# Altium PCB FYDP_rev1_revised_Cout.PcbDoc (continued)
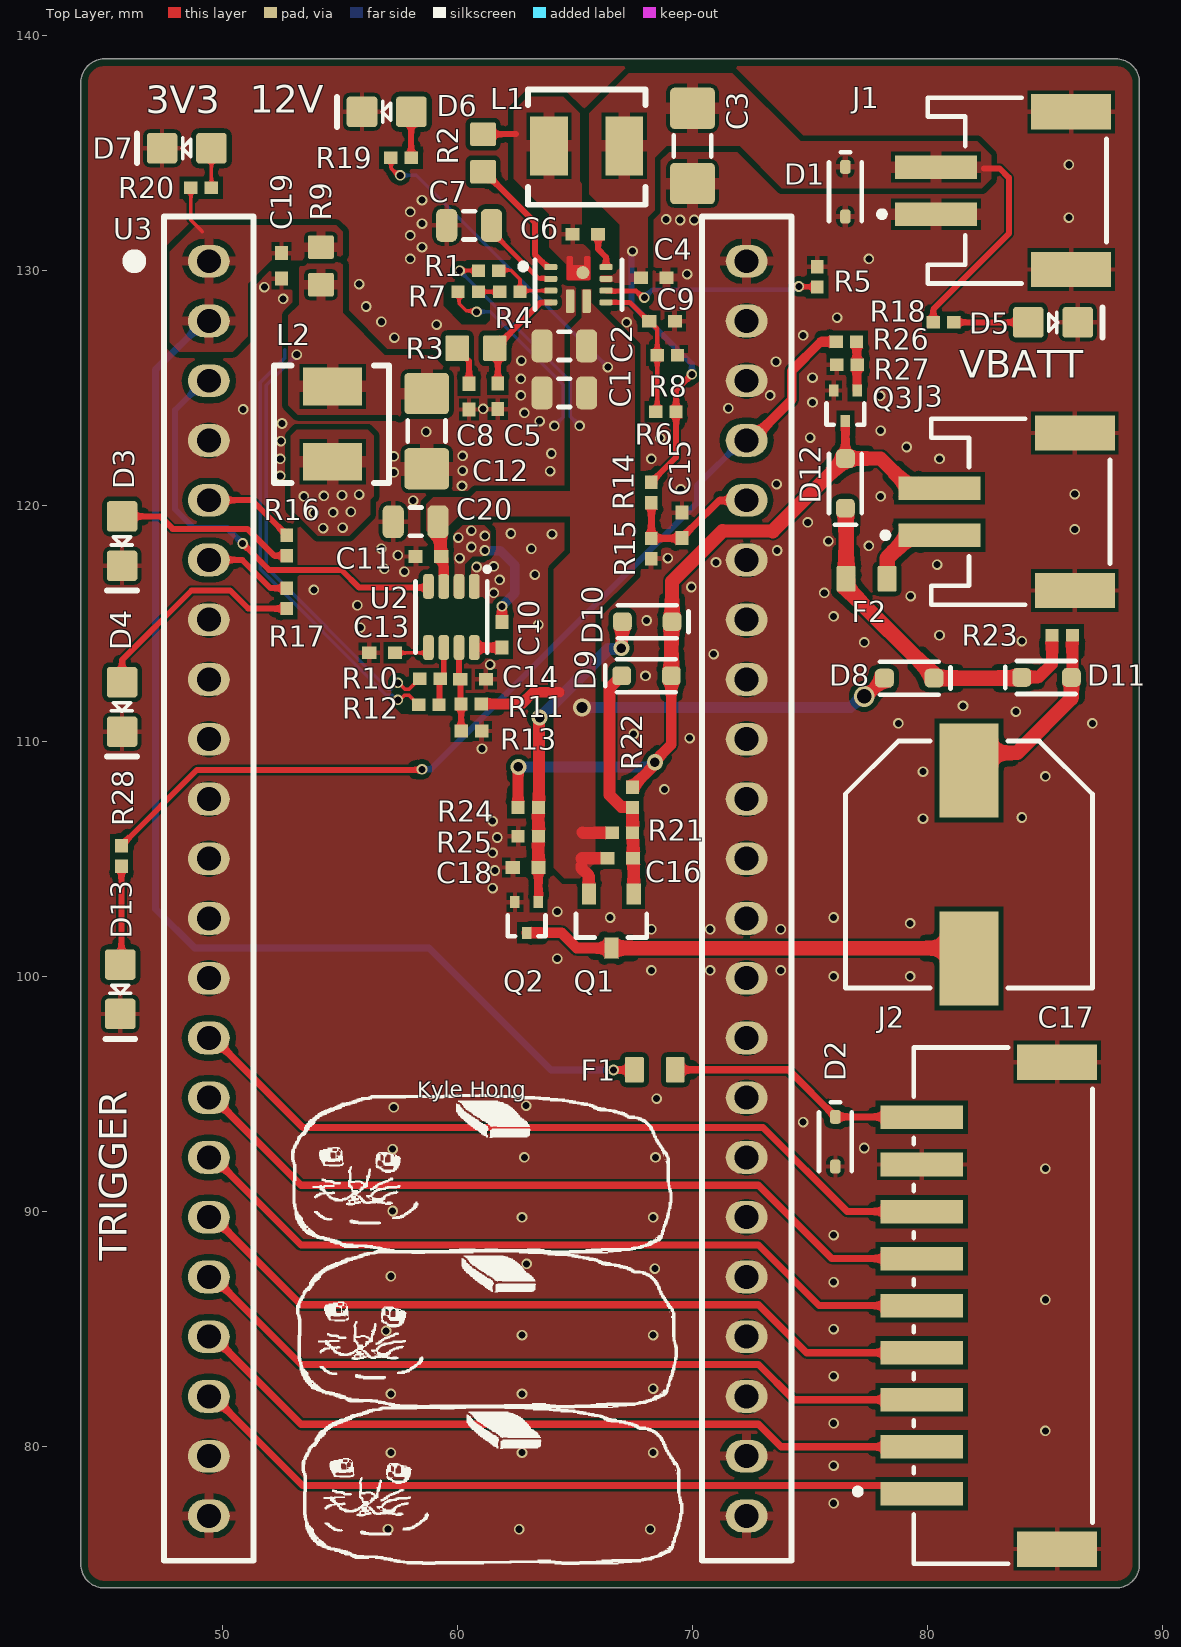
[diagram p0: Top Layer view]
## Footprints (in the part's own frame and the unit in brackets; to place one, negate y for a bottom-side part, rotate by r counter-clockwise, add the part's x,y. Pads: shape width x height; smd on the part's side, far side on the other; paste and mask are expansions set on the pad)
CAP0402 [mm]
  rect 0.6x0.54 smd paste-100 mask+0.051: 1(0,0) 2(1.09,0)
  body extent 0.06,-0.25 1.06,0.25, height 0.5
CAP0805 [mm]
  rrect50% 0.9x1.4 smd: 1(0,0) 2(1.9,0)
  silkscreen extent 0.7,-0.6 1.2,0.6, body extent -0.05,-0.6 1.95,0.6, height 1.2
CAP1206 [mm] "Chip Capacitor, Body 3.2x1.6mm, Height 0.55mm, IPC Medium Density"
  rrect20% 1.75x1.9 smd: 1(-1.6,0) 2(1.6,0)
  silkscreen extent -0.45,-0.8 0.45,0.8, body extent -1.7,-0.9 1.7,0.9, height 0.88
EPS32-S3-DevKitC [mil]
  oval 70x55 hole 40: 1(0,0) 2(0,-100) 3(0,-200) 4(0,-300) 5(0,-400) 6(0,-500) 7(0,-600) 8(0,-700) 9(0,-800) 10(0,-900) 11(0,-1000) 12(0,-1100) 13(0,-1200) 14(0,-1300) 15(0,-1400) 16(0,-1500) 17(0,-1600) 18(0,-1700) 19(0,-1800) 20(0,-1900) 21(0,-2000) 22(0,-2100) 23(900,0) 24(900,-100) 25(900,-200) 26(900,-300) 27(900,-400) 28(900,-500) 29(900,-600) 30(900,-700) 31(900,-800) 32(900,-900) 33(900,-1000) 34(900,-1100) 35(900,-1200) 36(900,-1300) 37(900,-1400) 38(900,-1500) 39(900,-1600) 40(900,-1700) 41(900,-1800) 42(900,-1900) 43(900,-2000) 44(900,-2100)
  silkscreen extent -135,-2175 975,75
FP-S9B-PH-SM4-TB_LF_SN-MFG [mm]
  rect 1x3.5 smd paste+0 mask+0: 1(8,-3.45) 2(6,-3.45) 3(4,-3.45) 4(2,-3.45) 5(0,-3.45) 6(-2,-3.45) 7(-4,-3.45) 8(-6,-3.45) 9(-8,-3.45)
  rect 1.5x3.4 smd paste+0 mask+0: 10(-10.35,2.3) 11(10.35,2.3)
  silkscreen extent -10.97,-6.3 10.97,3.8, body extent -11.2,-5.3 11.2,4.1, height 0.25
FUSE_0603 [mm] "Chip Fuse, Body 1.6x0.81mm"
  rrect15% 0.8x1.09 smd: 1(-0.87,0) 2(0.87,0)
  body extent -0.8,-0.38 0.8,0.38, height 0.75
"JST- S2B-PH-SM4-TB(LF)(SN)-2_V" [mm] "SMD, 2-Leads, Body 7.9x7.6mm, Pitch 2mm"
  rect 1x3.5 smd: 1(-1,3.45) 2(1,3.45)
  rect 1.5x3.4 smd: MP1(-3.35,-2.3) MP2(3.35,-2.3)
  silkscreen extent -3.95,-3.8 3.95,5.87, body extent -3.95,-3.8 3.95,4.8, height 5.6
LED_0805_GREEN [mm] "SMD, 2-Leads, Body 2x1.25mm"
  rrect20% 1.3x1.3 smd: 1(1.05,0) 2(-1.05,0)
  silkscreen extent -0.18,-0.63 2.11,0.64, body extent -1,-0.62 1,0.63, height 1.12
LED_0805_RED [mm] "SMD, 2-Leads, Body 2x1.25mm"
  rrect20% 1.3x1.3 smd: 1(1.05,0) 2(-1.05,0)
  silkscreen extent -0.18,-0.63 2.11,0.64, body extent -1,-0.62 1,0.63, height 1.12
LED_0805_YELLOW [mm] "SMD, 2-Leads, Body 2x1.25mm"
  rrect20% 1.3x1.3 smd: 1(1.05,0) 2(-1.05,0)
  silkscreen extent -0.18,-0.64 2.11,0.64, body extent -1,-0.62 1,0.63, height 1.12
NIC-CAPA2-10X10_V [mm] "Aluminum Electrolytic Capacitor, Diameter 10mm, Height 10.8mm, Pitch 8mm"
  rect 4x2.5 smd: 1(-4,0) 2(4,0)
  silkscreen extent -5.25,-5.25 5.25,5.25, body extent -4.96,-4.99 5,4.99, height 10.8
RES0402 [mm]
  rect 0.566x0.54 smd paste-100 mask+0.051: 1(0,0) 2(0.866,0)
  body extent -0.07,-0.25 0.93,0.25, height 0.3
RES0603 [mm]
  rrect15% 1x1.1 smd: 1(0,0) 2(1.6,0)
  body extent 0,-0.4 1.6,0.4, height 0.46
SD05-7 [mm] "SOD-323"
  rrect50% 0.59x0.45 smd: 1(0,0) 2(2.11,0)
  silkscreen extent -0.63,-0.7 2.3,0.7, body extent -0.2,-0.63 2.3,0.63, height 1
SOD-323 [mm] "SOD-323"
  rrect50% 0.8x0.8 smd: 1(0,0) 2(2.11,0)
  silkscreen extent -0.7,-0.7 2.3,0.7, body extent -0.2,-0.63 2.3,0.63, height 1
SOT23-3 [mm] "SOT23, 3-Leads, Body 2.90x2.30mm, Pitch 0.95mm, IPC Medium Density"
  rect 0.9x0.6 smd: 1(-1.15,0.95) 2(-1.15,-0.95) 3(1.15,0)
  silkscreen extent -0.3,-1.5 0.7,1.5, body extent -1.3,-1.5 1.3,1.5, height 1.1
SOT-523 [mm]
  rect 0.4x0.51 smd: 1(-0.5,-0.65) 2(0.5,-0.65) 3(0,0.65)
  silkscreen extent -0.8,-0.1 0.8,0.8, body extent -0.8,-0.83 0.8,0.8, height 0.81
TMPA0503S-3R3MN-D [mm]
  rect 1.6x2.5 smd: 1(0,0) 2(3.2,0)
  silkscreen extent -0.9,-2.4 4.1,2.5, body extent -1,-2.5 4.2,2.5, height 3
TPS563210ADDFR [mm] "SOT-23-8"
  rrect50% 1.05x0.45 smd: 1(-1.3,0.975) 2(-1.3,0.325) 3(-1.3,-0.325) 4(-1.3,-0.975) 5(1.3,-0.975) 6(1.3,-0.325) 7(1.3,0.325) 8(1.3,0.975)
  silkscreen extent -2.11,-1.52 1.52,1.6, body extent -1.48,-1.45 1.48,1.45, height 1.1

## Part data
C1 C2 C7 C20: library part CAP0805, "25V 10uF X5R ±10% 0805  Multilayer Ceramic Capacitors MLCC - SMD/SMT ROHS", Capacitance=10uF, Dielectric=X5R, Manufacturer="Samsung Electro-Mechanics", Package=0805, Tolerance=10%, Voltage Rating=25V, Manufacturer Part Number=CL21A106KAYNNNE
C3 C12: library part CAP1206, "10V 47uF X5R ±20% 1206  Multilayer Ceramic Capacitors MLCC - SMD/SMT ROHS", Capacitance=47uF, Dielectric=X5R, Manufacturer="Samsung Electro-Mechanics", Package=1206, Tolerance=20%, Voltage Rating=10V, Manufacturer Part Number=CL31A476MPHNNNE
C4 C6 C9 C10 C11 C14 C15 C16 C18 C19: library part CAP0402, "50V 100nF X7R ±10% 0402  Multilayer Ceramic Capacitors MLCC - SMD/SMT ROHS", Capacitance=100nF, Dielectric=X7R, Manufacturer="Samsung Electro-Mechanics", Package=0402, Tolerance=±20%, Voltage Rating=50V, Manufacturer Part Number=CL05B104KB54PNC
C5: library part CAP0402, "50V 47pF C0G ±5% 0402  Multilayer Ceramic Capacitors MLCC - SMD/SMT ROHS", Capacitance=47pF, Dielectric=C0G, Manufacturer="FH (Guangdong Fenghua Advanced Tech)", Package=0402, Tolerance=±5%, Voltage Rating=50V, Manufacturer Part Number=0402CG470J500NT
C8: library part CAP0402, "50V 1nF X7R ±10% 0402  Multilayer Ceramic Capacitors MLCC - SMD/SMT ROHS", Capacitance=1nF, Dielectric=X7R, Manufacturer="FH (Guangdong Fenghua Advanced Tech)", Package=0402, Tolerance=±10%, Voltage Rating=50V, Manufacturer Part Number=0402B102K500NT
C13: library part CAP0402, "50V 22nF X7R ±10% 0402  Multilayer Ceramic Capacitors MLCC - SMD/SMT ROHS", Capacitance=22nF, Dielectric=X7R, Manufacturer="FH (Guangdong Fenghua Advanced Tech)", Package=0402, Tolerance=10%, Voltage Rating=50V, Manufacturer Part Number=0402B223K500NT
C17: library part CMP-0687-00002-1, "Aluminum Electrolytic Capacitor, UD Series, Low Impedance, 470 uF, 25 V, + / - 20%, -55 to 105 degC, Chip Type, 10 x 10 mm D x L, Pb-Free, Reel", Manufacturer=Nichicon, Rated Capacitance="470 uF", Rated Ripple Current (at 100kHz)="670 mA", Rated Voltage="25 V", Tolerance Rated Capacitance="-20 to 20%", ComponentLink1Description="Manufacturer URL", ComponentLink1URL=http://www.nichicon.co.jp/, ComponentLink2Description=Datasheet, ComponentLink2URL=http://products.nichicon.co.jp/en/pdf/XJA043/e-ud.pdf, ComponentLink3Description="Package Specification", ComponentLink3URL=http://products.nichicon.co.jp/en/pdf/XJA043/e-ud.pdf, DatasheetVersion=08/2012, Diameter="10 mm", Endurance Time="5000 h", Impedance="0.09 Ohm", Length="10 mm", Mounting Technology="Surface Mount", PackageDescription="2-Pin Surface Mount Device, Diameter 10 mm, Height 10 mm, Pitch 8 mm", PackageReference=CAPAE-D10H10, Packing="Dia382mm Reel", PartNumber=UUD1E471MNL1GS, RoHS=TRUE
D1 D2: "TVS UNI14.5V 6.2V 5V SOD-323", Breakdown Voltage=6.2V, Clamping Voltage=14.5V, Manufacturer="Diodes Incorporated", Package=SOD-323, Reverse Standoff Voltage=5V, Manufacturer Part Number=SD05-7
D3: library part LED_GREEN, "Emerald 0805  Light Emitting Diodes (LED) ROHS", Manufacturer="Hubei KENTO Elec", If rated=20mA, Manufacturer Part Number=KT-0805G, Vf=2.1V
D4: library part LED_RED, "Colorless transparence 67mcd~195mcd -30℃~+85℃ 615nm~630nm Red 130° 65mW 0805  Light Emitting Diodes (LED) ROHS", Manufacturer="Foshan NationStar Optoelectronics", If rated=25mA, Manufacturer Part Number=NCD0805R1, Vf=2.0V
D5 D6 D7 D13: library part LED_YELLOW, "Yellow 0805  Light Emitting Diodes (LED) ROHS", Manufacturer="Hubei KENTO Elec", If rated=20mA, Manufacturer Part Number=KT-0805Y, Vf=2.1V
D8 D9 D10 D11 D12: "40V 470mV@500mA 0.5A SOD-323  Schottky Barrier Diodes (SBD) ROHS", Manufacturer="Taiwan Semiconductor", Package/Footprint=SOD-323, Io=0.5A, Manufacturer Part Number=RB551V-40, Mounting Type=SMD, Vf (Max)="470mV @ 0.5A", Vr (Max)=40V
F1 F2: library part FUSE0603, "50A SMD Fuse 1A 32V 32V 0603  Fuses ROHS", Current Rating=1A, Manufacturer=Littelfuse, Package=0603, Supplier Part Number 1=6130137, Voltage Rating=32V, Manufacturer Part Number=0467001.NRHF, Supplier 1="Future Electronics"
J1 J3: library part CMP-1755-00001-1, "Male Header, Pitch 2 mm, 1 x 2 Position, Height 5.5 mm, -25 to 85 degC, RoHS, Tape and Reel", Colour=Black, Current Rating="3 A", Max Operating Temperature=105degC, Min Operating Temperature=-65degC, Package Quantity=100, ComponentLink1Description="Manufacturer URL", ComponentLink1URL=http://www.jst.com/home2.html, ComponentLink2Description=Datasheet, ComponentLink2URL=http://www.jst-mfg.com/product/pdf/eng/ePH.pdf, Contact Finish=Lead, Contact Material=Bronze, Contact Plating=Tin, DatasheetVersion=Dec-12, Height="8.13 mm", Lead Pitch="0.1 inch", Length="101.19 mm", Mount="Through Hole", PackageDescription="Male Header, Pitch 2 mm, 1 x 2 Position, Height 5.5 mm", PackageReference=S2B-PH-SM4-TB(LF)(SN)-2, Packaging=Bulk, Pins=40, Radiation Hardening=No, RoHSCompliant=True, Width="2.34 mm"
J2: library part CMP-17439-000494-1, "CONN HEADER SMD R/A 9POS 2MM", Color=White, Contact Resistance=10mR, Current Rating=2A, Flammability Rating="UL94 V-0", Housing Color=Natural, Insulation Resistance=1GR, Max Operating Temperature=85°C, Min Operating Temperature=-25°C, Voltage Rating=100V, Connector Type=Header, Contact Finish - Mating=TIN, Contact Material="Copper Alloy", Contact Mating Length=0.13inch, Contact Plating=Tin, Contact Shape=Square, Contact Type="Male Pin", Fastening Type=Detent, Gender=Male, Housing Material=Nylon, Insulation Color=Natural, Insulation Material=Nylon, Lead Free="Lead Free", Lead Pitch=2mm, Mount="Surface Mount", Number of Contacts=9, Number of Poles=9, Number of Positions=9, Number of Rows=1, Orientation="Right Angle", Packaging="Cut Tape", Pitch=2mm, Reach SVHC Compliant=Yes, Series=PH, Termination=Solder, Voltage Rating (AC)=100V, Working Voltage=100V
L1 L2: "INDUCTOR 5.3A 3.3uH ±20% SMD Power Inductors ROHS", DC Resistance=28mR, Inductance=3.3uH, Manufacturer=TAI-TECH, Tolerance=20%, Isat(min)=5.3A, Manufacturer Part Number=TMPA0503S-3R3MN-D
Q1: "P-Channel 30 V 760mA (Ta) 540mW (Ta) Surface Mount Micro3™/SOT-23", Manufacturer 1="Infineon Technologies", Power Dissipation (Max)="540mW (Ta)", Supplier Part Number 1=942-IRLML5103TRPBF, Id=760mA, Manufacturer Part Number 1=IRLML5103TRPBF, Mounting Type=SMD, Supplier 1=Mouser, Vdss=30V, Vgs (Max)=±20V
Q2 Q3: "NFET 60 V 320mA (Ta) 230mW (Ta) Surface Mount SOT-523", Package=SOT-523, Supplier Part Number 1=DMN62D0UT-7DICT-ND, Id @ 25°C=320mA, Supplier 1=Digikey, Vdss=60V, Vgs (Max)=±20V, Vgs(th) (Max) @ Id="1V @ 250uA"
R1 R5: library part RES0402, "62.5mW Thick Film Resistors ±100ppm/℃ ±1% 1MΩ 0402  Chip Resistor - Surface Mount ROHS", Manufacturer="UNI-ROYAL(Uniroyal Elec)", Package=0402, Power Rating=62.5mW, Resistance=1MR, Tolerance=1%, Manufacturer Part Number=0402WGF1004TCE
R2: library part RES0603, "100mW Thick Film Resistors ±100ppm/℃ ±1% 330kΩ 0603  Chip Resistor - Surface Mount ROHS", Manufacturer="UNI-ROYAL(Uniroyal Elec)", Package=0603, Power Rating=100mW, Resistance=330kR, Tolerance=1%, Manufacturer Part Number=0603WAF3303T5E
R3: library part RES0603, "100mW Thick Film Resistors ±100ppm/℃ ±1% 24kΩ 0603  Chip Resistor - Surface Mount ROHS", Manufacturer="UNI-ROYAL(Uniroyal Elec)", Package=0603, Power Rating=100mW, Resistance=24kR, Tolerance=1%, Manufacturer Part Number=0603WAF2402T5E
R4: library part RES0402, "62.5mW Thick Film Resistors ±100ppm/℃ ±1% 100kΩ 0402  Chip Resistor - Surface Mount ROHS", Manufacturer="UNI-ROYAL(Uniroyal Elec)", Package=0402, Power Rating=62.5mW, Resistance=100kR, Tolerance=1%, Manufacturer Part Number=0402WGF1003TCE
R6: library part RES0402, "62.5mW Thick Film Resistors ±100ppm/℃ ±1% 15kΩ 0402  Chip Resistor - Surface Mount ROHS", Manufacturer="UNI-ROYAL(Uniroyal Elec)", Package=0402, Power Rating=62.5mW, Resistance=15kR, Tolerance=1%, Manufacturer Part Number=0402WGF1502TCE
R7 R8 R12 R13 R14 R23 R27: library part RES0402, "62.5mW Thick Film Resistors ±100ppm/℃ ±1% 10kΩ 0402  Chip Resistor - Surface Mount ROHS", Manufacturer="UNI-ROYAL(Uniroyal Elec)", Package=0402, Power Rating=62.5mW, Resistance=10kR, Tolerance=1%, Manufacturer Part Number=0402WGF1002TCE
R9: library part RES0603, "100mW Thick Film Resistors ±1% 0Ω 0603  Chip Resistor - Surface Mount ROHS", Manufacturer="UNI-ROYAL(Uniroyal Elec)", Package=0603, Power Rating=100mW, Resistance=0R, Tolerance=1%, Manufacturer Part Number=0603WAF0000T5E
R10 R15: library part RES0402, "62.5mW Thick Film Resistors ±100ppm/℃ ±1% 33kΩ 0402  Chip Resistor - Surface Mount ROHS", Manufacturer="UNI-ROYAL(Uniroyal Elec)", Package=0402, Power Rating=62.5mW, Resistance=33kR, Tolerance=1%, Manufacturer Part Number=0402WGF3302TCE
R11 R21 R25: library part RES0402, "62.5mW Thick Film Resistors ±100ppm/℃ ±1% 51kΩ 0402  Chip Resistor - Surface Mount ROHS", Manufacturer="UNI-ROYAL(Uniroyal Elec)", Package=0402, Power Rating=62.5mW, Resistance=51kR, Tolerance=1%, Manufacturer Part Number=0402WGF5102TCE
R16 R20 R28: library part RES0402, "62.5mW Thick Film Resistors ±100ppm/℃ ±1% 330Ω 0402  Chip Resistor - Surface Mount ROHS", Manufacturer="UNI-ROYAL(Uniroyal Elec)", Package=0402, Power Rating=62.5mW, Resistance=330R, Tolerance=1%, Manufacturer Part Number=0402WGF3300TCE
R17 R18 R22 R24: library part RES0402, "62.5mW Thick Film Resistors ±100ppm/℃ ±1% 510Ω 0402  Chip Resistor - Surface Mount ROHS", Manufacturer="UNI-ROYAL(Uniroyal Elec)", Package=0402, Power Rating=62.5mW, Resistance=510R, Tolerance=1%, Manufacturer Part Number=0402WGF5100TCE
R19: library part RES0402, "62.5mW Thick Film Resistors ±100ppm/℃ ±1% 2.2kΩ 0402  Chip Resistor - Surface Mount ROHS", Manufacturer="UNI-ROYAL(Uniroyal Elec)", Package=0402, Power Rating=62.5mW, Resistance=2.2kR, Tolerance=1%, Manufacturer Part Number=0402WGF2201TCE
R26: library part RES0402, "62.5mW Thick Film Resistors ±1% ±200ppm/℃ 100Ω 0402  Chip Resistor - Surface Mount ROHS", Manufacturer="UNI-ROYAL(Uniroyal Elec)", Package=0402, Power Rating=62.5mW, Resistance=100R, Tolerance=1%, Manufacturer Part Number=0402WGF1000TCE
U2: "IC REG BUCK ADJ 3A SOT-23-8", Manufacturer="Texas Instruments", Package=SOT-23-8, Supplier Part Number 1=595-TPS563210ADDFR, Manufacturer Part Number=TPS563210ADDFR, Supplier 1=Mouser
U3: library part EPS32-S3-DevKitC, Dev Kit Part Number=ESP32-S3-DevKitC-1, MCU Part Number=ESP32-S3-WROOM-2-N32R8V

## Free pads (board coordinates)
  rrect40% 0.55x0.25 smd paste+0 mask+0: 1(63.975,130.15) 2(63.975,129.65) 3(63.975,129.15) 4(63.975,128.65) 7(66.325,128.65) 8(66.325,129.15) 9(66.325,129.65) 10(66.325,130.15)
  rrect29% 0.35x1 smd paste-1000 mask+0: 5(64.8,128.7) 6(65.5,128.7)
  round 0.553 smd paste-1000 mask+0: 11(65.337,129.913)

## Via types
v1: diameter 0.45, hole 0.3, Top Layer to Bottom Layer, tented both sides, 190 vias
v2: diameter 0.686, hole 0.406, Top Layer to Bottom Layer, tented both sides, 4 vias
v3: diameter 0.45/0.45/0.45/0.45 (per signal layer), hole 0.3, Top Layer to Bottom Layer, tented both sides, 2 vias
v4: diameter 0.762, hole 0.457, Top Layer to Bottom Layer, tented both sides, 1 vias
v5: diameter 0.889, hole 0.61, Top Layer to Bottom Layer, tented both sides, 1 vias

## Nets (pads, with @x,y where several pads share a name; then routed paths per layer and width w, separated by ;. In a path a pad name is that pad's centre, name@x,y a point inside that pad or via, vN(x,y) a via of type N, cw(c..) or ccw(c..) an arc to the next point about the centre after c; other vN are vias at no path point)
BOOST_EN: C9.2 pad.7 R6.1 R8.2 | length 6.2
  Top Layer w0.203: pad.7 67.33,128.65 68.13,127.85 C9.2 68.19,127.85 68.358,127.682 68.358,127.652 68.5,127.51 68.5,124.066 R6.1
BUCK_EN: C14.2 R11.1 R13.2 U2.7 | length 3.6
  Top Layer w0.254: U2.7 60.075,112.675 60.142,112.608 60.142,111.592 R11.1 60.167,111.567 60.167,110.433 R13.2
GND: C1.1 C2.1 C3.1 C4.1 C5.1 C7.1 C8.1 C9.1 C11.1 C12.1 C13.1 C14.1 C15.1 C18.1 C19.1 C20.1 D1.2 D2.2 D3.1 D4.1 D5.1 D6.1 D7.1 D13.1 J1.1 J1.MP1 J1.MP2 J2.8 J2.10 J2.11 J3.MP1 J3.MP2 pad.5 Q2.2 Q3.2 R5.1 R7.1 R8.1 R12.1 R13.1 R15.2 R25.1 R27.1 U2.1 U3.22 U3.23 U3.43 U3.44 | length 27.3
  Top Layer w0.152: v1(57.475,111.75) 57.556,111.75 57.756,111.95 57.947,111.95 58.347,111.55 R12.1 ; R7.1 60.077,129.057 60.077,128.598 60.387,128.288 60.787,128.288 v3(60.825,128.25)
  Bottom Layer w0.152: 52.661,126.627 52.661,126.286 51.633,125.258 51.633,117.3 56.982,111.95 57.237,111.95 57.437,111.75 v1(57.475,111.75) ; v3(60.825,128.25) 61.4,128.25 64.5,125.15 64.5,123.774 v3(64.124,123.399)
  other v1: 57.054,76.493 62.629,76.493 68.204,76.493 76,77.6 76,79.2 57.175,79.75 62.75,79.75 68.325,79.75 85,80.675 76,81 57.175,82.25 62.75,82.25 68.325,82.475 76,83 62.75,84.75 68.325,84.75 56.975,84.925 76,85 85,86.25 76,87 57.175,87.25 68.4,87.575 62.95,87.775 76,89 62.75,89.75 68.325,89.75 57.25,90.025 85,91.825 62.85,92.3 68.425,92.3 57.25,92.65 77.3,92.7 74.7,93.8 57.3,94.425 62.925,94.5 68.475,94.8 76,100 79.25,100 68.25,100.25 70.75,100.25 73.75,100.25 64.25,100.75 68.25,102 70.75,102 73.75,102 79.25,102.25 66.5,102.5 76,102.5 64.25,102.75 61.5,103.75 61.6,104.5 61.5,105.25 61.7,105.9 61.5,106.6 79.8,106.7 84,106.75 68.8,107.95 85,108.5 79.8,108.7 61.05,109.675 69.875,110.125 67.5,110.3 78.75,110.75 87,110.75 83.75,111.25 81.5,111.5 68,112.775 61.4,113.25 70.9,113.7 77.3,114.2 84,114.25 80.5,114.5 55.875,114.825 63.45,114.95 68.05,115.125 76,115.3 55.75,115.775 79.27,116.164 61.55,116.3 75.6,116.3 53.9,116.425 69.95,116.55 61.8,116.85 63.3,117.075 57.75,117.2 56.9,117.325 60.825,117.4 61.55,117.425 80.4,117.5 71,117.6 68.95,117.775 57.475,117.9 73.6,118.1 56.775,118.175 63.15,118.175 77.5,118.3 75.775,118.5 64.025,118.8 62.275,118.825 86.25,119 74.9,119.3 58.125,120.225 78,120.4 86.25,120.5 69.5,120.7 60.2,120.85 73.575,120.925 52.475,121.275 57.3,121.425 63.95,121.475 60.225,121.5 52.475,122 68.25,122 80.5,122 57.3,122.1 60.225,122.125 64,122.225 79.1,122.5 52.5,122.75 68.625,122.875 75,122.9 58.675,123.15 78,123.2 52.55,123.5 63.5,123.6 62.85,123.95 50.9,124.1 61.1,124.125 71.525,124.15 75.1,124.4 77.975,124.675 62.7,124.7 73.3,124.7 62.7,125.4 75.1,125.45 73.55,126.125 62.725,126.175 57.325,127.15 74.7,127.25 59.125,127.7 67.2,127.8 56.775,127.825 76.15,128 56.125,128.475 52.6,128.8 51.8,129.3 55.825,129.425 69.775,129.85 58,130.5 77.5,130.5 58.5,131 58,131.5 58.5,132 69.475,132.15 70.075,132.15 68.875,132.175 86,132.25 58,132.5 58.5,133 86,134.5
IMU1_INT: J2.6 U3.15 | length 33.1
  Top Layer w0.305: U3.15 49.63,94.84 53.351,91.119 72.801,91.119 75.921,88 J2.6
IMU2_INT: J2.7 U3.14 | length 33.4
  Top Layer w0.305: U3.14 49.63,97.38 53.435,93.575 73,93.575 76.575,90 J2.7
LED_1: R16.2 U3.5 | length 3.9
  Top Layer w0.254: U3.5 51.273,120.24 52.75,118.763 R16.2
LED_2: R17.2 U3.6 | length 3.8
  Top Layer w0.254: U3.6 50.861,117.7 52.061,116.5 R17.2
NetC5_2: C5.2 pad.4 R3.2 | length 4.8
  Top Layer w0.254: C5.2 61.722,126.578 R3.2 61.6,126.75 61.973,127.123 62.023,127.123 63.55,128.65 pad.4
NetC6_1: C6.1 pad.10 | length 1.5
  Top Layer w0.254: C6.1 65.99,130.91 66.325,130.575 pad.10
NetC6_2: C6.2 L1.2 pad.11 R2.2 | length 1.4
  Top Layer w0.254: R2.2 62.5,135.8
NetC7_2: C7.2 pad.2 | length 3.6
  Top Layer w0.203: C7.2 61.45,131.675 63.452,129.673 63.952,129.673 pad.2
NetC8_2: C8.2 R3.1 | length 1.7
  Top Layer w0.254: R3.1 60,126.65 60.5,126.15 C8.2
NetC10_1: C10.1 L2.1 U2.2 | length 4.2
  Top Layer w0.406: C10.1 v1(61.9,115.725)
  Bottom Layer w0.406: v1(61.175,118.1) 61.183,118.092 61.833,118.092 62.45,117.475 62.45,116.287 61.9,115.737 v1(61.9,115.725)
  other v1: 60.1,117.775 60.6,118.25 60.05,118.65 61.175,118.725 60.6,118.95 54.3,119.05 55.125,119.075 53.9,119.7 54.725,119.725 55.475,119.75 53.475,120.4 54.325,120.425 55.1,120.45 55.825,120.475
NetC10_2: C10.2 U2.8 | length 1.2
  Top Layer w0.406: U2.8 C10.2
NetC12_2: C12.2 L2.2 R9.1 R10.2 | length 18.7
  Top Layer w0.152: v1(57.475,112.475) 57.513,112.475 57.793,112.195 57.942,112.195 58.397,112.65 R10.2
  Bottom Layer w0.152: v1(53.175,126.425) 51.875,125.125 51.875,117.4 57.067,112.208 57.195,112.208 v1@57.462,112.475
NetC13_2: C13.2 U2.5 | length 1.6
  Top Layer w0.152: C13.2 58.629,113.75 58.775,113.896 U2.5
NetC16_1: C16.1 D9.1 Q1.1 R21.1 R22.1 | length 10.2
  Top Layer w0.508: D9.1 66.475,112.26 66.475,107.7 66.971,107.204 67.434,107.204 R22.1@67.45,107.188 ; R21.1 R22.1@67.45,107.188 ; R22.1 R22.1@67.45,107.188 ; C16.1 R21.1@67.475,106.075 ; Q1.1 C16.1@67.5,105.025
NetC17_1: C17.1 D11.2 R23.1 | length 8.3
  Top Layer w0.508: D11.2@86.15,112.75 86.15,113.2 R23.1
  Top Layer w0.61: C17.1 82.5,109.5 83.8,109.5 86.106,111.806 D11.2 D11.2@86.15,112.75
NetC17_2: C17.2 Q1.3 Q2.3 | length 19.3
  Top Layer w0.457: Q2.3 64.428,101.85 65.078,101.2 Q1.3
  Top Layer w0.61: Q1.3 81.3,101.2 C17.2
NetC18_2: C18.2 D10.2 Q2.1 R24.1 R25.2 | length 13.7
  Top Layer w0.356: Q2.1 C18.2
  Top Layer w0.508: C18.2 R25.2 R24.1 63.459,107.175 63.475,107.191 63.475,110.975 v2(63.5,111) ; v2(66.975,113.95) 66.998,113.973 66.998,115.052 D10.2
  Bottom Layer w0.508: v2(63.5,111) 66.416,113.916 66.941,113.916 v2(66.975,113.95)
NetD2_1: D2.1 F1.1 J2.9 | length 11.3
  Top Layer w0.305: F1.1 74.075,96.025 D2.1 79.725,94.025 J2.9
NetD3_2: D3.2 R16.1 | length 7.7
  Top Layer w0.254: D3.2 47.375,119.55 47.9,119.025 51.075,119.025 52.216,117.884 R16.1
NetD4_2: D4.2 R17.1 | length 9.5
  Top Layer w0.254: D4.2 45.75,113.45 48.7,116.4 50.346,116.4 51.111,115.634 R17.1
NetD5_2: D5.2 R18.1 | length 3.2
  Top Layer w0.254: R18.1 D5.2
NetD6_2: D6.2 R19.1 | length 2
  Top Layer w0.254: R19.1 58.041,136.741 D6.2
NetD7_2: D7.2 R20.1 | length 1.7
  Top Layer w0.152: R20.1 49.55,133.534 D7.2
NetD8_1: D8.1 D11.1 D12.1 F2.1 R23.2 | length 15.3
  Top Layer w0.508: D11.1@83.996,112.675 D11.1 84.013,112.723 84.723,112.723 85.284,113.284 R23.2
  Top Layer w0.66: D12.1@76.53,119.9 F2.1 76.6,116.83 76.6,116.45 80.2,112.85 80.2,112.745 D8.1@80.3,112.745 ; D8.1 D11.1@83.996,112.675
NetD9_2: D9.2 D10.1 D12.2 J3.2 Q3.3 R22.2 R24.2 | length 32.6
  Top Layer w0.356: D12.2 Q3.3
  Top Layer w0.457: R24.2 62.584,108.884 v2(62.6,108.9) ; R22.2@67.45,108.053 68.364,108.967 68.364,109.064 v2(68.4,109.1) 68.4,109.155 69.1,109.855 D9.2
  Top Layer w0.559: 71.276,118.926 73.416,118.926
  Top Layer w0.61: D9.2 D10.1@69.1,115.044 ; D10.1 69.131,116.781 71.276,118.926 ; 73.416,118.926 D12.2 77.99,122.01 79.25,120.75 J3.2
  Bottom Layer w0.457: v2(62.6,108.9) 68.138,108.9 68.338,109.1 v2(68.4,109.1)
NetD13_2: D13.2 R28.1 | length 4.2
  Top Layer w0.254: D13.2 45.725,100.55 R28.1
NetF2_2: F2.2 J3.1 | length 3.5
  Top Layer w0.66: F2.2 78.27,117.77 79.08,118.58 80.33,118.58 J3.1
NetQ3_1: Q3.1 R26.2 R27.2 | length 2.1
  Top Layer w0.305: R26.2 R26.2@76.987,126.962 ; Q3.1@76.987,124.913 Q3.1
  Top Layer w0.356: Q3.1@76.987,124.913 R26.2@76.987,126.962
NetR1_1: pad.3 R1.1 R4.2 | length 2.9
  Top Layer w0.152: R1.1@61.84,130.025 61.846,130.019 62.281,130.019 62.666,129.634 R4.2 62.714,129.148 63.973,129.148 pad.3
NetR2_1: pad.1 R2.1 | length 5.4
  Top Layer w0.254: R2.1 61.15,134.2 63.3,132.05 63.3,130.675 63.825,130.15 pad.1
NetR4_1: R4.1 R7.2 | length 0.9
  Top Layer w0.152: R7.2 R4.1
NetR5_2: pad.8 R5.2 | length 9.3
  Top Layer w0.203: pad.8 66.347,129.128 67.605,129.128 67.883,128.85 v1(67.95,128.85) ; v1(74.525,129.325) 74.537,129.312 75.287,129.312 R5.2
  Bottom Layer w0.203: v1(67.95,128.85) 68.285,129.185 74.318,129.185 74.458,129.325 v1(74.525,129.325)
NetR10_1: R10.1 R12.2 U2.6 | length 2.5
  Top Layer w0.254: R12.2 59.25,111.575 59.25,112.625 R10.1 59.425,112.8 U2.6
NetU2_4: U2.4 U3.3 | length 18.3
  Top Layer w0.254: v1(50.875,118.4) 52,117.275 55.078,117.275 55.828,116.525 58.677,116.525 58.727,116.575 U2.4
  Bottom Layer w0.254: U3.3 49.249,125.32 48,124.071 48,119.855 48.805,119.05 50.225,119.05 v1(50.875,118.4)
PP3V3: C19.2 F1.2 R9.2 R20.2 U3.1 U3.2 | length 51.3
  Top Layer w0.152: R20.2 48.675,132.15 49.164,131.661 ; F1.2@67.522,96.017 F1.2
  Top Layer w0.305: v1(66.641,96.017) F1.2@67.522,96.017
  Bottom Layer w0.305: U3.2 49.249,127.86 47.175,125.786 47.175,102.864 48.839,101.2 58.803,101.2 63.986,96.017 v1(66.641,96.017)
PP12V: C1.2 C2.2 C11.2 C16.2 C20.2 D8.2 pad.6 Q1.2 R1.2 R11.2 R19.2 R21.2 U2.3 | length 46.2
  Top Layer w0.152: R19.2@57.188,134.8 57.188,134.337 57.418,134.107 57.518,134.107 v1(57.575,134.05) ; v1(60.1,130) R1.2
  Top Layer w0.406: C11.2 59.425,117.745 U2.3
  Top Layer w0.457: C20.2 C20.2@59.29,119.21 ; R11.2 62.725,111.575 63.225,112.075 64.325,112.075
  Top Layer w0.508: C11.2@59.29,117.85 C20.2@59.29,119.21 ; 65.275,104.7 65.275,104.6 65.582,104.293 65.582,103.518 Q1.2 ; 65.275,105 65.3,105.025 C16.2 ; 65.325,106.125 65.35,106.1 R21.2 ; v5(77.3,111.9) 77.385,111.9 D8.2@78.21,112.725
  Bottom Layer w0.152: v1(57.575,134.05) 58.25,134.05 v1(66.4,125.9) ; v1(60.1,130) 64.8,125.3 64.8,123.8 v1(65.2,123.4)
  Bottom Layer w0.457: v4(65.3,111.425) 76.708,111.425 77.183,111.9 v5(77.3,111.9)
SOLENOID_TRIG: R26.1 R28.2 U3.26 | length 40.4
  Top Layer w0.254: R28.2 45.725,105.563 48.937,108.775 58.475,108.775 v1(58.5,108.8)
  Top Layer w0.406: U3.26 72.49,122.78 74.225,124.515 74.225,125.75 75.45,126.975 R26.1
  Bottom Layer w0.254: v1(58.5,108.8) 58.875,108.8 70.185,120.11 70.185,120.855 72.109,122.78 U3.26
SPI_IMU1_nCS: J2.5 U3.16 | length 32.9
  Top Layer w0.305: U3.16 49.63,92.3 53.351,88.579 72.801,88.579 75.381,86 J2.5
SPI_IMU2_nCS: J2.1 U3.20 | length 32
  Top Layer w0.305: U3.20 49.63,82.14 53.42,78.35 77.974,78.35 77.976,78.348 79.402,78.348 J2.1
SPI_IMU_CLK: J2.3 U3.18 | length 32.5
  Top Layer w0.305: U3.18 49.63,87.22 53.351,83.499 72.801,83.499 74.301,82 J2.3
SPI_IMU_MISO: J2.2 U3.19 | length 32.2
  Top Layer w0.305: U3.19 49.63,84.68 53.351,80.959 72.801,80.959 73.761,80 J2.2
SPI_IMU_MOSI: J2.4 U3.17 | length 32.7
  Top Layer w0.305: U3.17 49.63,89.76 53.351,86.039 72.801,86.039 74.841,84 J2.4
VBATT: C3.2 C4.2 D1.1 J1.2 L1.1 pad.9 R6.2 R14.1 R18.2 | length 20.3
  Top Layer w0.254: R14.1 68.25,121.013 69.3,122.063 R6.2 69.3,124.914 v1(69.976,125.59) ; R18.2 80.234,128.353 83.45,131.569 83.45,133.95 83.05,134.35 82.4,134.35
  Bottom Layer w0.254: v1(67.45,130.825) 67.45,130.772 67.398,130.72 67.398,128.602 69.976,126.024 v1(69.976,125.59)
VBATT_MONITOR: C15.2 R14.2 R15.1 U3.27 | length 6.3
  Top Layer w0.305: R14.2 R15.1 68.255,118.62 69.545,118.62 C15.2 69.55,118.655 69.949,119.054 69.957,119.054 71.132,120.229 72.289,120.229 U3.27
pads on no net: U3.4 U3.7 U3.8 U3.9 U3.10 U3.11 U3.12 U3.13 U3.21 U3.24 U3.25 U3.28 U3.29 U3.30 U3.31 U3.32 U3.33 U3.34 U3.35 U3.36 U3.37 U3.38 U3.39 U3.40 U3.41 U3.42

## Polygon pours and split planes (outlines as drawn)
GND on Top Layer "GND_L01_P029" (solid, remove dead copper, pour order 29): 40.725,139.05 43.35,141.675 89.25,141.675 92.225,138.7 92.225,76.1 87.75,71.625 41.65,71.625 40.725,72.55 40.725,139.075
VBATT on Top Layer "Top Layer-VBATT" (solid, remove dead copper, pour order 10): 82.3,133.5 82.7,133.9 82.7,134.9 82.1,135.5 74.6,135.5 71.7,138.4 67.3,138.4 65.6,136.7 65.6,133.25 66.9,131.95 66.9,130.1 66.6,129.8 66.1,129.8 66.1,129.5 66.6,129.5 66.7,129.4 68.1,129.4 68.1,132.275 68.4,132.575 68.4,134.8 68.9,135.3 72,135.3 73.8,133.5
GND on Top Layer "GND_L01_P009" (solid, pour order 9): 65,129.2 64.6,129.2 64.6,128.625 63.775,127.8 63.2,127.8 62.45,127.05 62.45,122.8 64,122.8 64.5,123.3 64.5,127.5 65,128
NetC6_2 on Top Layer "NETC6_2_L01_P008" (solid, pour order 8): 65.65,129.65 65.65,130.85 65.3,131.2 65.3,133.7 65.2,133.8 65.2,136.7 64.5,137.4 63,137.4 62.4,136.8 62.4,133.9 63.9,132.4 63.9,131 64.65,130.25 64.65,129.65
PP12V on Top Layer "Top Layer-PP12V" (solid, pour order 5): 64.1,104.625 64.55,104.175 65.2,104.175 65.875,104.85 65.875,115.425 67.55,117.1 67.55,126.775 65.7,128.625 65.7,129.2 65.3,129.2 65.3,128 64.8,127.5 64.8,123.3 64.8,118 64.1,117.3
NetC12_2 on Top Layer "NONET_L-01_P-001" (solid, pour order 26): 59.6,123.725 57.625,123.725 57.475,123.875 53.225,123.875 52.825,124.275 52.825,128.1 53.275,128.55 53.275,130.123 53.502,130.35 55.125,130.35 55.125,128.2 56.925,126.4 58.95,126.4 59.6,125.75
PP12V on Top Layer "NONET_L-01_P-001" (solid, pour order 28): 59.325,118.825 60.05,119.55 65.125,119.55 65.3,119.725 65.3,120.45 65.125,120.625 60.8,120.625 60.55,120.375 58.975,120.375 58.675,120.075 58.675,118.95 58.8,118.825 58.925,118.825
NetC10_1 on Top Layer "NONET_L-01_P-001" (solid, pour order 23): 56.3,120.25 56.3,119.625 55.4,118.725 54.075,118.725 53.475,119.325 52.925,119.875 52.925,122.975 53.175,123.225 56.2,123.225 56.45,122.975 56.45,120.4
NetC10_1 on Top Layer "NONET_L-01_P-001" (solid, pour order 20): 60.325,116.025 59.85,116.025 59.85,118.8 60.225,119.175 61.15,119.175 61.4,118.925 61.4,118.175 61.075,117.85 60.65,117.85 60.325,117.525
PP3V3 on Top Layer "PP3V3_L01_P019" (solid, pour order 19): 48.175,126.55 47.775,126.95 47.775,130.8 48.9,131.925 54.85,131.925 55.125,131.65 55.125,130.675 54.884,130.434 52.084,130.434 51.1,129.45 51.1,127.2 50.45,126.55
GND on Bottom Layer "GND_L04_P027" (solid, pour order 27): 40.1,138 44.1,142 89,142 92.2,138.8 92.2,75.9 87.8,71.5 43.6,71.5 40.1,75 40.1,137.9
NetC10_1 on Bottom Layer "NONET_L-01_P-001" (solid, pour order 21): 52.675,120.2 53.425,120.95 56.7,120.95 58.45,119.2 61.15,119.2 61.5,118.85 61.5,118.05 61.325,117.875 60.55,117.875 60.225,117.55 58.5,117.55 57.45,118.6 53.5,118.6 52.675,119.425 52.675,120.175
GND on GND1 "GND_L02_P000" (solid, pour order 0): 42,72.2 42,139.5 45.6,143.1 88.4,143.1 92.3,139.2 92.3,75.2 89.3,72.2
GND on GND2 "GND_L03_P001" (solid, pour order 1): 41.6,70.9 41.6,141 44.8,144.2 87.8,144.2 92.4,139.6 92.4,76.8 86.5,70.9

## Other copper
Top Layer:
  region net NetC6_2: 65.6,129.6 65.61,129.6 65.628,129.608 65.642,129.622 65.65,129.64 65.65,129.65 65.65,130.55 65.65,130.56 65.642,130.578 65.628,130.592 65.61,130.6 65.6,130.6 65.45,130.6 65.44,130.6 65.422,130.592 65.408,130.578 65.4,130.56 65.4,130.55 65.4,130.27 65.399,130.26 65.392,130.242 65.378,130.228 65.36,130.221 65.35,130.22 64.95,130.22 64.94,130.221 64.922,130.228 64.908,130.242 64.901,130.26 64.9,130.27 64.9,130.55 64.9,130.56 64.892,130.578 64.878,130.592 64.86,130.6 64.85,130.6 64.7,130.6 64.69,130.6 64.672,130.592 64.658,130.578 64.65,130.56 64.65,130.55 64.65,129.65 64.65,129.64 64.658,129.622 64.672,129.608 64.69,129.6 64.7,129.6
  pour cut-out: 58.299,114.065 58.334,114.1 58.334,116.138 61.087,116.138 61.448,115.777 61.43,115.759 61.43,114.449 58.718,114.449 58.344,114.074
  pour cut-out: 57.05,111.725 57.625,111.15 58.625,111.15 58.75,111.275 58.75,111.825 58.5,112.075 57.2,112.075
  pour cut-out: 61.4,127.9 61.2,127.7 60.2,127.7 59.4,128.5 59.4,129.323 59.599,129.522 59.622,129.5 61.4,129.5
GND1:
  pour cut-out: 57.274,112.05 57.405,112.104 57.545,112.104 57.676,112.05 57.775,111.951 57.829,111.82 57.829,111.68 57.775,111.549 57.676,111.45 57.545,111.396 57.405,111.396 57.274,111.45 57.175,111.549 57.121,111.68 57.121,111.82 57.175,111.951
  pour cut-out: 60.624,128.55 60.755,128.604 60.895,128.604 61.026,128.55 61.125,128.451 61.179,128.32 61.179,128.18 61.125,128.049 61.026,127.95 60.895,127.896 60.755,127.896 60.624,127.95 60.525,128.049 60.471,128.18 60.471,128.32 60.525,128.451
GND2:
  pour cut-out: 57.274,112.05 57.405,112.104 57.545,112.104 57.676,112.05 57.775,111.951 57.829,111.82 57.829,111.68 57.775,111.549 57.676,111.45 57.545,111.396 57.405,111.396 57.274,111.45 57.175,111.549 57.121,111.68 57.121,111.82 57.175,111.951
  pour cut-out: 60.624,128.55 60.755,128.604 60.895,128.604 61.026,128.55 61.125,128.451 61.179,128.32 61.179,128.18 61.125,128.049 61.026,127.95 60.895,127.896 60.755,127.896 60.624,127.95 60.525,128.049 60.471,128.18 60.471,128.32 60.525,128.451
Bottom Layer:
  pour cut-out: 57.874,111.387 57.281,111.387 56.931,111.737 56.824,111.737 51.399,117.162 51.399,125.512 52.399,126.512 52.561,126.512 52.783,126.29 52.783,126.171 51.874,125.262 51.874,117.412 57.135,112.151 57.874,112.151
  pour cut-out: 64.687,123.454 64.358,123.125 63.95,123.125 63.875,123.2 63.875,123.625 64.025,123.775 64.15,123.775 64.3,123.925 64.3,124.975 61.375,127.9 60.639,127.9 60.4,128.139 60.4,128.418 60.607,128.625 61.242,128.625 64.687,125.18

## Silkscreen, mask and mechanical layers (free items; w line width, h text height)
Top Overlay:
  drawing of 39 lines, arcs and shapes, not listed
  text "12V" at 51.175,136.313 h2.03
  text "3V3" at 46.75,136.284 h2.03
  text "VBATT" at 81.345,125.038 h2.03
  text "Kyle Hong" at 58.307,94.63 h1.14
  text "TRIGGER" at 46.362,87.916 h2.03 r90
Bottom Overlay:
  drawing of 22 lines, arcs and shapes, not listed
  text "DYNAMIC ANKLE SUPPORT" at 82.806,112.85 h2.54 r90
Top Paste:
  region: 64.925,128.2 64.675,128.2 64.665,128.2 64.647,128.208 64.633,128.222 64.625,128.24 64.625,128.25 64.625,129.07 64.625,129.08 64.633,129.098 64.647,129.112 64.665,129.12 64.675,129.12 64.925,129.12 64.935,129.12 64.953,129.112 64.967,129.098 64.975,129.08 64.975,129.07 64.975,128.25 64.975,128.24 64.967,128.222 64.953,128.208 64.935,128.2 64.925,128.2
  region: 65.625,128.2 65.375,128.2 65.365,128.2 65.347,128.208 65.333,128.222 65.325,128.24 65.325,128.25 65.325,129.07 65.325,129.08 65.333,129.098 65.347,129.112 65.365,129.12 65.375,129.12 65.625,129.12 65.635,129.12 65.653,129.112 65.667,129.098 65.675,129.08 65.675,129.07 65.675,128.25 65.675,128.24 65.667,128.222 65.653,128.208 65.635,128.2 65.625,128.2
  region: 64.65,130.07 64.65,130.08 64.658,130.098 64.672,130.112 64.69,130.12 64.7,130.12 65.6,130.12 65.61,130.12 65.628,130.112 65.642,130.098 65.65,130.08 65.65,130.07 65.65,129.65 65.65,129.64 65.642,129.622 65.628,129.608 65.61,129.6 65.6,129.6 64.7,129.6 64.69,129.6 64.672,129.608 64.658,129.622 64.65,129.64 64.65,129.65
  region: 64.7,130.6 64.85,130.6 64.86,130.6 64.878,130.592 64.892,130.578 64.9,130.56 64.9,130.55 64.9,130.37 64.9,130.36 64.892,130.342 64.878,130.328 64.86,130.32 64.85,130.32 64.7,130.32 64.69,130.32 64.672,130.328 64.658,130.342 64.65,130.36 64.65,130.37 64.65,130.55 64.65,130.56 64.658,130.578 64.672,130.592 64.69,130.6 64.7,130.6
  region: 65.4,130.55 65.4,130.56 65.408,130.578 65.422,130.592 65.44,130.6 65.45,130.6 65.6,130.6 65.61,130.6 65.628,130.592 65.642,130.578 65.65,130.56 65.65,130.55 65.65,130.37 65.65,130.36 65.642,130.342 65.628,130.328 65.61,130.32 65.6,130.32 65.45,130.32 65.44,130.32 65.422,130.328 65.408,130.342 65.4,130.36 65.4,130.37
Top 3D Body:
  lines w0.2: 63.85,128.35 66.45,128.35 66.45,130.45 63.85,130.45 63.85,128.35
Top Courtyard:
  lines w0.2: 63.6,128.1 66.7,128.1 66.7,130.75 63.6,130.75 63.6,128.1
Board Shape:
  the board outline again, w0.254
Top Assembly:
  lines w0.2: 63.6,128.1 66.7,128.1 66.7,130.75 63.6,130.75 63.6,128.1
  text ".Designator" at 65.15,129.424 h1
Top Component Center:
  lines w0.1: 64.65,129.4 65.65,129.4 ; 65.15,128.9 65.15,129.9